# KiCad board Charlie-SD-CARD.kicad_pcb
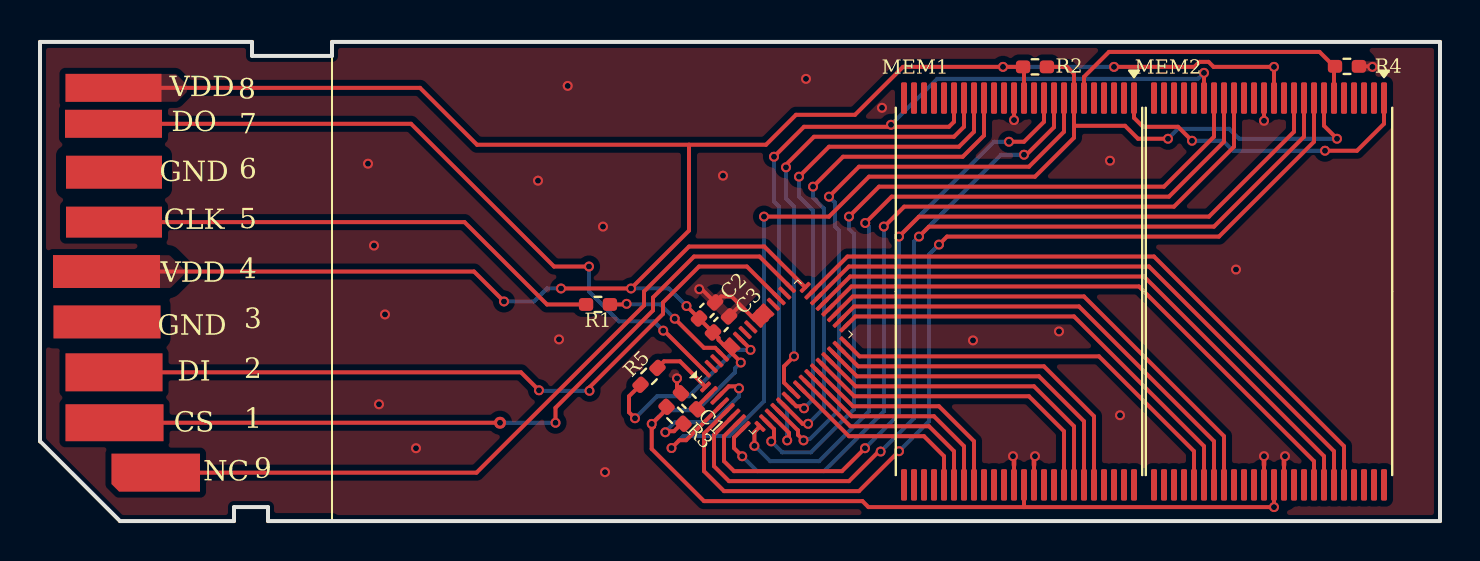
[diagram p0: board, top side]
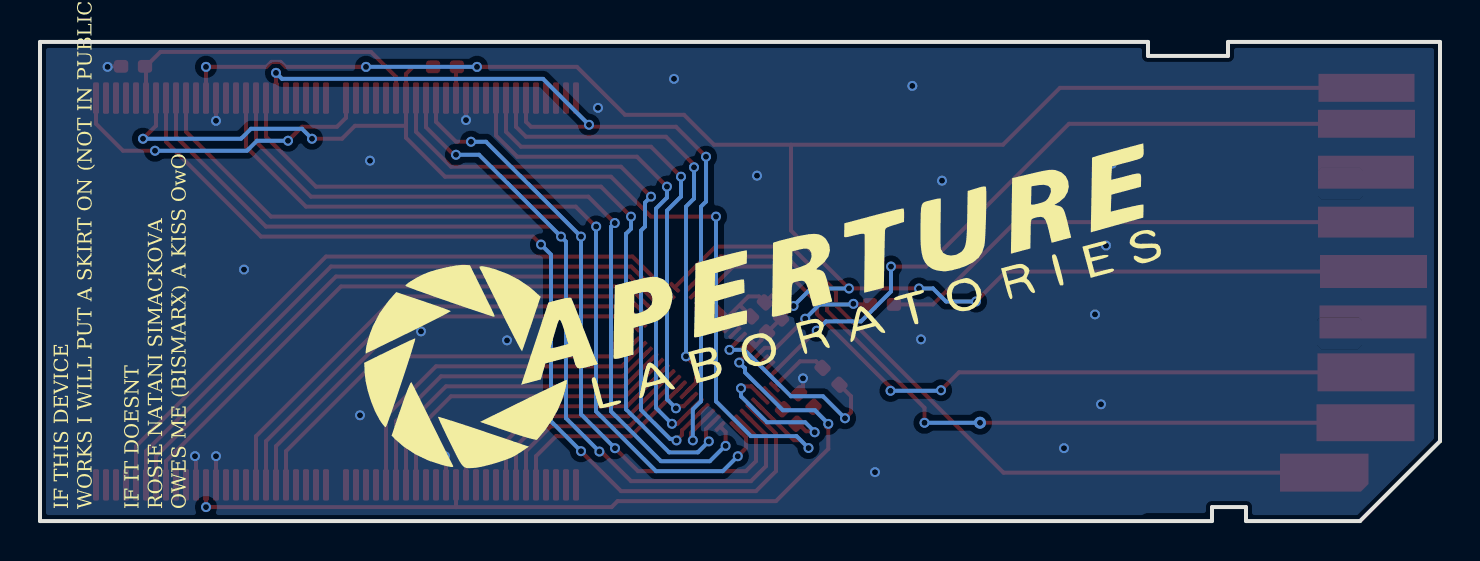
[diagram p1: board, bottom side, seen from below]

Outline 70 x 24 mm; copper layers: Front.Cu, Back.Cu. Coordinates in mm from the lower left corner of the outline.
Outline path: 0,24 10.6,24 10.6,23.3 14.6,23.3 14.6,24 70,24 70,0 11.4,0 11.4,0.7 9.7,0.7 9.7,0 4,0 0,4 0,24
Stack: Front.Cu 0.035mm / dielectric 1.51mm FR4 er 4.5 / Back.Cu 0.035mm

## Placement (name value [footprint] x y rotation side)
C1  C  [C_0402_1005Metric_Pad0.74x0.62mm_HandSolder]  32.45 6 135 top
C2  C  [C_0402_1005Metric_Pad0.74x0.62mm_HandSolder]  33.35 10.55 45 top
C3  C  [C_0402_1005Metric_Pad0.74x0.62mm_HandSolder]  34.05 9.85 45 top
G***  -  [LOGO]  33.79 11.64 165 bottom
MC1  ~  [Rosie_is_a_stupid_little_bitch_but_I_love_her]  36.76 8.22 135 top
MEM1  ~  [TSOP-I-48_18.4x12mm_P0.5mm]  48.95 11.5 270 top
MEM2  ~  [TSOP-I-48_18.4x12mm_P0.5mm]  61.45 11.5 270 top
R1  32~35R  [R_0402_1005Metric_Pad0.72x0.64mm_HandSolder]  27.9 10.85 0 top
R2  >~1000R  [R_0402_1005Metric_Pad0.72x0.64mm_HandSolder]  49.75 22.75 180 top
R3  ~1000R  [R_0402_1005Metric_Pad0.72x0.64mm_HandSolder]  31.75 5.3 135 top
R4  ~15R  [R_0402_1005Metric_Pad0.72x0.64mm_HandSolder]  65.35 22.78 0 top
R5  ?R  [R_0402_1005Metric_Pad0.72x0.64mm_HandSolder]  30.45 7.25 45 top
SD1  ~  [sd_card_contacts]  14.6 0 90 top

## Library data of the parts
C1-C3 = -: Description: Unpolarized capacitor; ki_fp_filters: C_*
R1-R5 = -: Description: Resistor; ki_fp_filters: R_*

## Footprints (pads in the part's own frame, mm; a bottom-side part is the same pattern mirrored in y, then rotated)
C_0402_1005Metric_Pad0.74x0.62mm_HandSolder
  rrect 0.735x0.62 smd: 1(-0.568,0) 2(0.568,0)
R_0402_1005Metric_Pad0.72x0.64mm_HandSolder
  rrect 0.715x0.64 smd: 1(-0.598,0) 2(0.598,0)
Rosie_is_a_stupid_little_bitch_but_I_love_her
  rrect 0.2x0.65 smd: 1(1.4,3.525) 8(-1.4,3.525) 25(-1.4,-3.525) 32(1.4,-3.525)
  rrect 0.2x0.8 smd: 2(1,3.525) 3(0.6,3.525) 4(0.2,3.525) 5(-0.2,3.525) 6(-0.6,3.525) 7(-1,3.525) 26(-1,-3.525) 27(-0.6,-3.525) 28(-0.2,-3.525) 29(0.2,-3.525) 30(0.6,-3.525) 31(1,-3.525)
  rrect 0.65x0.2 smd: 9(-1.925,3) 24(-1.925,-3) 33(1.925,-3) 48(1.925,3)
  rrect 0.8x0.2 smd: 10(-1.925,2.6) 11(-1.925,2.2) 12(-1.925,1.8) 13(-1.925,1.4) 14(-1.925,1) 15(-1.925,0.6) 16(-1.925,0.2) 17(-1.925,-0.2) 18(-1.925,-0.6) 19(-1.925,-1) 20(-1.925,-1.4) 21(-1.925,-1.8) 22(-1.925,-2.2) 23(-1.925,-2.6) 34(1.925,-2.6) 35(1.925,-2.2) 36(1.925,-1.8) 37(1.925,-1.4) 38(1.925,-1) 39(1.925,-0.6) 40(1.925,-0.2) 41(1.925,0.2) 42(1.925,0.6) 43(1.925,1) 44(1.925,1.4) 45(1.925,1.8) 46(1.925,2.2) 47(1.925,2.6)
sd_card_contacts
  rect 1.85x4.9 smd: 1(4.925,10.875)
  rect 1.9x4.85 smd: 2(7.45,10.9)
  rect 1.65x5.35 smd: 3(9.975,11.25) 4(12.5,11.275)
  rect 1.55x4.8 smd: 5(14.975,10.9)
  rect 1.65x4.8 smd: 6(17.475,10.9)
  rect 1.4x4.85 smd: 7(19.9,10.925)
  rect 1.4x4.8 smd: 8(21.7,10.925)
  rrect 1.9x4.425 smd: 9(2.425,8.812)
TSOP-I-48_18.4x12mm_P0.5mm
  rrect 1.575x0.3 smd: 1(-9.688,5.75) 2(-9.688,5.25) 3(-9.688,4.75) 4(-9.688,4.25) 5(-9.688,3.75) 6(-9.688,3.25) 7(-9.688,2.75) 8(-9.688,2.25) 9(-9.688,1.75) 10(-9.688,1.25) 11(-9.688,0.75) 12(-9.688,0.25) 13(-9.688,-0.25) 14(-9.688,-0.75) 15(-9.688,-1.25) 16(-9.688,-1.75) 17(-9.688,-2.25) 18(-9.688,-2.75) 19(-9.688,-3.25) 20(-9.688,-3.75) 21(-9.688,-4.25) 22(-9.688,-4.75) 23(-9.688,-5.25) 24(-9.688,-5.75) 25(9.688,-5.75) 26(9.688,-5.25) 27(9.688,-4.75) 28(9.688,-4.25) 29(9.688,-3.75) 30(9.688,-3.25) 31(9.688,-2.75) 32(9.688,-2.25) 33(9.688,-1.75) 34(9.688,-1.25) 35(9.688,-0.75) 36(9.688,-0.25) 37(9.688,0.25) 38(9.688,0.75) 39(9.688,1.25) 40(9.688,1.75) 41(9.688,2.25) 42(9.688,2.75) 43(9.688,3.25) 44(9.688,3.75) 45(9.688,4.25) 46(9.688,4.75) 47(9.688,5.25) 48(9.688,5.75)

## Nets
GND/GND: C1.2 C2.2 C3.2 MC1.37 MC1.38 MC1.39 MEM1.13 MEM1.36 MEM1.38 MEM2.13 MEM2.36 MEM2.38 R4.2 SD1.3 SD1.6
CLK/SCLK: R1.1 SD1.5
CMD/DI: MC1.35 SD1.2
DAT0/DO: MC1.48 SD1.7
DAT1/X: C2.1 C3.1 MC1.43 MC1.44 MEM1.12 MEM1.37 MEM2.12 MEM2.37 R2.2 R3.2 SD1.4 SD1.8
DAT2/X: MC1.32 SD1.9
DAT3/CS: MC1.33 SD1.1
jmp1: MC1.45 R1.2
jmp2: MC1.4 MEM1.7 MEM2.7 R2.1
jmp3: MC1.3 R3.1
jmp4: MEM1.6 MEM2.6 R4.1
jmp5: MC1.1 R5.2
jmp6: MC1.42 R5.1
jmp7: C1.1 MC1.2
jmp8: MC1.5 MEM2.8
jmp9: MC1.6 MEM1.9 MEM2.9
jmp10: MC1.7 MEM1.10 MEM2.10
jmp11: MC1.8 MEM2.16
jmp12: MC1.9 MEM2.17
jmp13: MC1.10 MEM2.18
jmp14: MC1.11 MEM1.19 MEM2.19
jmp15: MC1.12 MEM1.8
jmp16: MC1.13 MEM1.16
jmp17: MC1.14 MEM1.17
jmp18: MC1.15 MEM1.18
jmp19: MC1.16 MEM1.29
jmp20: MC1.17 MEM1.30
jmp21: MC1.18 MEM1.31
jmp22: MC1.19 MEM1.32
jmp23: MC1.20 MEM1.41
jmp24: MC1.21 MEM1.42
jmp25: MC1.22 MEM1.43
jmp26: MC1.23 MEM1.44
jmp27: MC1.24 MEM2.29
jmp28: MC1.25 MEM2.30
jmp29: MC1.26 MEM2.31
jmp30: MC1.27 MEM2.32
jmp31: MC1.28 MEM2.41
jmp32: MC1.29 MEM2.42
jmp33: MC1.30 MEM2.43
jmp34: MC1.31 MEM2.44
jmp35: MEM1.1 MEM2.1

Pads without a net: MC1 34 36 40 41 46 47; MEM1 2 3 4 5 11 14 15 20 21 22 23 24 25 26 27 28 33 34 35 39 40 45 46 47 48; MEM2 2 3 4 5 11 14 15 20 21 22 23 24 25 26 27 28 33 34 35 39 40 45 46 47 48

## Via types
v1: diameter 0.5, hole 0.3, Front.Cu to Back.Cu, 80 vias
v2: diameter 0.6, hole 0.3, Front.Cu to Back.Cu, 1 via

## Routing (per net, layer and track width the routed paths; a pad name or vN(x,y) marks a point on that pad's centre or on a via; arc(x,y) is an arc through that point)
GND/GND: length 14.8
  Front.Cu w0.2: 32.11,6.34 31.85,6.6 v1(31.85,7.15) ; 34.98,10.78 34.29,10.09 ; v1(48.7,20.09) MEM1.13 ; MEM1.38 49.7,3.2 v1(49.75,3.25) ; v1(62.25,3.25) 62.2,3.2 MEM2.38 ; 65.78,22.75 65.81,22.78 66.59,22.78 v1(66.62,22.75) ; v1(48.65,3.25) 48.7,3.2 MEM1.36 ; MEM2.36 v1(61.2,3.25) ; v1(61.2,20.05) MEM2.13 ; 36,10.3 35.8,10.1 35.74,10.1 34.58,11.25 34.05,11.25 C2.2 33.09,11.62 v1(32.96,11.62)
  vias: v1(16.4,17.9) v1(16.7,13.8) v1(16.95,5.85) v1(17.25,10.35) v1(18.8,3.65) v1(24.9,17.05) v1(25.95,9.1) v1(26.39,21.8) v1(28.15,14.75) v1(28.25,2.45) v1(34.15,17.3) v1(38.3,22.15) v1(42.1,20.7) v1(46.65,9.05) v1(50.95,9.5) v1(53.5,18.05) v1(54,5.3) v1(59.8,12.6)
CLK/SCLK: length 25.3
  Front.Cu w0.2: SD1.5 21.23,14.97 25.35,10.85 R1.1
CMD/DI: length 37.4
  Front.Cu w0.2: v1(24.95,6.55) 24.05,7.45 SD1.2 ; MC1.35 35.34,12.75 32.95,12.75 31.15,10.95 31.15,10.38 27.47,6.7 v1(27.47,6.53)
  Back.Cu w0.2: v1(24.95,6.55) 24.95,6.55 24.98,6.53 v1(27.47,6.53) 27.45,6.55
DAT0/DO: length 35.5
  Front.Cu w0.2: v1(27.45,12.75) 25.7,12.75 18.55,19.9 SD1.7 ; MC1.48 31.2,9.54 v1(31.16,9.54)
  Back.Cu w0.2: v1(27.45,12.75) 27.45,11.5 28.95,10 30.7,10 v1(31.16,9.54)
DAT1/X: length 150.7
  Front.Cu w0.2: MEM2.12 v1(61.7,22.75) 58.68,22.75 58.43,23 57.97,23 57.72,22.75 v1(53.7,22.75) ; v1(32.33,10.77) C2.1 33.93,9.17 33.93,9.08 35.05,7.95 35.05,7.95 v1(35.04,7.94) ; 49.2,22.75 MEM1.12 ; 49.24,22.75 v1(48.15,22.75) 43.15,22.75 40.75,20.35 37.8,20.35 36.3,18.85 32.45,18.85 ; 31.39,5.66 30.6,4.87 v1(30.59,4.87) 30.7,4.75 30.7,4.73 30.59,4.62 30.59,3.61 33.2,1 41.12,1 41.42,0.7 49.2,0.7 ; SD1.8 19,21.7 21.85,18.85 32.45,18.85 ; v1(23.2,11) 21.7,12.5 SD1.4 ; 32.45,18.85 32.45,14.55 v1(29.55,11.65) v1(26.05,11.65) ; 49.2,0.7 v1(61.7,0.7) MEM2.37 ; 49.2,0.7 MEM1.37
  Back.Cu w0.2: v1(30.59,4.87) 30.59,4.89 31.25,5.55 32.85,5.55 34.75,7.45 34.75,7.65 v1(35.04,7.94) ; v1(32.33,10.77) 31.45,11.65 v1(29.55,11.65) ; v1(26.05,11.65) 25.35,11.65 24.7,11 v1(23.2,11) ; v1(53.7,22.75) v1(48.15,22.75)
DAT2/X: length 38.4
  Front.Cu w0.2: SD1.9 21.83,2.43 30.2,10.8 30.2,11.5 32.45,13.75 36.22,13.75 MC1.32
DAT3/CS: length 38.6
  Front.Cu w0.2: v1(25.78,4.93) 25.78,5.68 30.65,10.55 30.65,11.2 32.7,13.25 35.98,13.25 37.42,11.81 ; v2(23,4.93) SD1.1
  Back.Cu w0.2: v1(25.78,4.93) v2(23,4.93)
jmp1: length 6.5
  Front.Cu w0.2: v1(29.33,10.88) 29.3,10.85 28.59,10.85 28.56,10.88 ; 34.03,8.41 33.76,8.68 33.2,8.68 v1(31.74,10.14)
  Back.Cu w0.2: v1(31.74,10.14) 31.02,10.85 29.36,10.85 v1(29.33,10.88)
jmp2: length 56.6
  Front.Cu w0.2: 51.7,19.55 51.7,19.8 54.25,19.8 54.9,19.15 v1(56.4,19.15) ; 51.7,19.55 51.7,19.2 49.75,17.25 41.45,17.25 39.45,15.25 v1(36.2,15.25) ; 51.7,19.55 MEM1.7 51.7,22.4 51.35,22.75 50.26,22.75 ; v1(64.85,19.15) 64.2,19.8 MEM2.7 ; 34.1,5.84 32.3,4.05 31.97,4.05 v1(31.57,3.66)
  Back.Cu w0.2: v1(36.2,15.25) 36.2,6 34.46,4.26 32.17,4.26 v1(31.57,3.66) ; v1(56.4,19.15) 56.9,19.65 59.45,19.65 59.95,19.15 v1(64.85,19.15)
jmp3: length 7.3
  Front.Cu w0.2: v1(34.95,6.65) 34.85,6.75 34.44,6.75 MC1.3 ; 32.11,4.94 31.98,4.81 31.98,4.78 31.7,4.5 31.32,4.5 v1(31.27,4.45)
  Back.Cu w0.2: v1(34.95,6.65) 34.95,6.25 33.65,4.95 31.74,4.95 31.27,4.47 v1(31.27,4.45)
jmp4: length 16
  Front.Cu w0.2: MEM1.6 52.2,22.25 53.45,23.5 63.98,23.5 64.7,22.78 R4.1 64.7,22.73 MEM2.6
jmp5: length 3.1
  Front.Cu w0.2: 30.81,7.61 31.2,8 32,8 33.25,6.75 33.25,6.75
jmp6: length 10.2
  Front.Cu w0.2: v1(35.53,8.57) 35.53,8.61 34.95,9.19 ; 30.09,6.89 29.45,6.25 29.45,5.45 v1(29.75,5.15)
  Back.Cu w0.2: v1(35.53,8.57) 34.78,8.57 32.45,6.25 30.85,6.25 v1(29.75,5.15)
jmp7: length 1.1
  Front.Cu w0.2: 32.79,5.69 32.81,5.69 MC1.2
jmp8: length 48.8
  Front.Cu w0.2: v1(42.95,3.5) 40.95,1.5 34.2,1.5 33.2,2.5 33.2,4.38 34.38,5.56 ; MEM2.8 63.7,19 58.95,14.25 45.35,14.25 v1(44.95,13.85)
  Back.Cu w0.2: v1(44.95,13.85) 44.45,13.35 44.45,5 v1(42.95,3.5)
jmp9: length 57.5
  Front.Cu w0.2: v1(43.95,14.25) 44.45,14.75 58.7,14.75 63.2,19.25 MEM2.9 ; v1(42.03,3.48) 41.93,3.48 40.45,2 34.45,2 33.7,2.75 33.7,4.31 34.66,5.28 ; MEM1.9 50.7,19.73 49.32,18.35 v1(49.2,18.35)
  Back.Cu w0.2: v1(42.03,3.48) 43.7,5.15 43.7,14 v1(43.95,14.25) 48.05,18.35 v1(49.2,18.35)
jmp10: length 55.8
  Front.Cu w0.2: v1(41.25,3.65) 40.1,2.5 34.7,2.5 34.2,3 34.2,4.25 34.94,4.99 ; MEM1.10 50.2,20 49.2,19 v1(48.45,19) ; MEM2.10 62.7,19.5 58.45,15.25 43.95,15.25 v1(42.95,14.25)
  Back.Cu w0.2: v1(41.25,3.65) 42.95,5.35 v1(42.95,14.25) 47.7,19 v1(48.45,19)
jmp11: length 41.4
  Front.Cu w0.2: v1(35.11,3.25) 34.7,3.66 34.7,4.18 35.23,4.71 ; MEM2.16 59.7,18.75 56.7,15.75 43.21,15.75 42.21,14.75 v1(42.19,14.75)
  Back.Cu w0.2: v1(42.19,14.75) 42.2,14.74 42.2,5.5 39.2,2.5 35.86,2.5 v1(35.11,3.25)
jmp12: length 39.5
  Front.Cu w0.2: 35.93,4.8 35.93,4.67 35.72,4.46 v1(35.72,3.77) ; v1(41.26,14.93) 42.58,16.25 56.45,16.25 59.2,19 MEM2.17
  Back.Cu w0.2: v1(41.26,14.93) 41.45,14.74 41.45,5.5 38.95,3 36.51,3 35.74,3.77 v1(35.72,3.77)
jmp13: length 38.2
  Front.Cu w0.2: MEM2.18 58.7,19.25 56.2,16.75 41.95,16.75 v1(40.45,15.25) ; 36.22,5.09 36.7,4.61 36.7,4.13 v1(36.56,3.99)
  Back.Cu w0.2: v1(40.45,15.25) 40.45,14.64 40.7,14.39 40.7,5.6 38.54,3.44 37.11,3.44 v1(36.56,3.99)
jmp14: length 45.2
  Front.Cu w0.2: MEM1.19 45.7,20 45.45,19.75 42.55,19.75 ; v1(42.55,19.85) 42.55,19.75 ; 42.55,19.75 38.2,19.75 v1(36.7,18.25) ; v1(37.36,4.04) 37.45,4.13 37.45,4.42 36.5,5.37 ; v1(58.2,22.45) MEM2.19
  Back.Cu w0.2: v1(58.2,22.45) 57.9,22.15 44.85,22.15 v1(42.55,19.85) ; v1(37.36,4.04) 37.36,5.59 36.95,6 36.95,15.75 36.7,16 36.7,18.25 v1(36.7,18.25)
jmp15: length 30.2
  Front.Cu w0.2: MC1.12 37.9,4.54 37.9,4.54 37.9,4.32 v1(38.18,4.04) ; MEM1.8 51.2,19.5 49.45,17.75 40.95,17.75 v1(39.45,16.25)
  Back.Cu w0.2: v1(38.18,4.04) 38.25,4.11 38.5,4.11 39.95,5.57 39.95,14.55 39.75,14.75 39.75,15.95 v1(39.45,16.25)
jmp16: length 25.6
  Front.Cu w0.2: MEM1.16 47.2,19.31 46.14,18.25 40.15,18.25 v1(38.65,16.75) ; MC1.13 38.13,4.87 v1(38.4,4.87)
  Back.Cu w0.2: v1(38.4,4.87) 38.4,4.87 39.2,5.67 39.2,15.65 38.65,16.2 v1(38.65,16.75)
jmp17: length 24.5
  Front.Cu w0.2: MEM1.17 46.7,19.5 45.95,18.75 39.45,18.75 v1(37.95,17.25) ; 37.35,6.22 37.82,5.75 38.07,5.75 38.17,5.65 v1(38.2,5.65)
  Back.Cu w0.2: v1(38.2,5.65) 38.2,5.65 38.65,6.1 38.65,15.55 37.95,16.25 v1(37.95,17.25)
jmp18: length 23.1
  Front.Cu w0.2: 37.63,6.5 37.2,6.93 37.2,7.75 v1(37.7,8.25) ; MEM1.18 46.2,19.75 45.7,19.25 38.7,19.25 37.27,17.82 37.27,17.75 v1(37.3,17.72)
  Back.Cu w0.2: v1(37.7,8.25) 37.7,15.75 37.3,16.15 v1(37.3,17.72)
jmp19: length 10.2
  Front.Cu w0.2: 37.92,6.78 40.45,4.25 44.2,4.25 45.2,3.25 MEM1.29
jmp20: length 10.7
  Front.Cu w0.2: 38.2,7.07 40.52,4.75 44.45,4.75 45.7,3.5 MEM1.30
jmp21: length 11.1
  Front.Cu w0.2: 38.48,7.35 40.58,5.25 44.7,5.25 46.2,3.75 MEM1.31
jmp22: length 11.6
  Front.Cu w0.2: MEM1.32 46.7,4 44.95,5.75 40.65,5.75 38.77,7.63
jmp23: length 16.3
  Front.Cu w0.2: 39.05,7.91 40.71,6.25 49.45,6.25 51.2,4.5 MEM1.41
jmp24: length 16.7
  Front.Cu w0.2: MEM1.42 51.7,4.75 49.7,6.75 40.78,6.75 39.33,8.2
jmp25: length 17.2
  Front.Cu w0.2: 39.61,8.48 40.84,7.25 49.95,7.25 52.2,5 MEM1.43
jmp26: length 17.7
  Front.Cu w0.2: 39.9,8.76 40.91,7.75 50.2,7.75 52.7,5.25 MEM1.44
jmp27: length 21.5
  Front.Cu w0.2: MEM2.29 57.7,3.5 52.95,8.25 40.98,8.25 40.18,9.05
jmp28: length 22.8
  Front.Cu w0.2: MEM2.30 58.2,3.75 51.7,10.25 40.77,10.25 MC1.25
jmp29: length 24
  Front.Cu w0.2: MC1.26 40.7,10.75 51.95,10.75 58.7,4 MEM2.31
jmp30: length 25.3
  Front.Cu w0.2: MC1.27 40.64,11.25 52.2,11.25 59.2,4.25 MEM2.32
jmp31: length 29.6
  Front.Cu w0.2: MEM2.41 63.7,3 54.95,11.75 40.57,11.75 MC1.28
jmp32: length 30.8
  Front.Cu w0.2: MEM2.42 64.2,3.25 55.2,12.25 40.5,12.25 MC1.29
jmp33: length 32.1
  Front.Cu w0.2: MEM2.43 64.7,3.5 55.45,12.75 40.44,12.75 MC1.30
jmp34: length 33.3
  Front.Cu w0.2: MEM2.44 65.2,3.75 55.7,13.25 40.37,13.25 MC1.31
jmp35: length 16
  Front.Cu w0.2: MEM2.1 67.2,19.9 65.85,18.55 v1(64.25,18.55) ; v1(57.6,19.05) 56.9,19.75 55.15,19.75 54.7,20.2 MEM1.1
  Back.Cu w0.2: v1(64.25,18.55) 59.65,18.55 59.15,19.05 v1(57.6,19.05)

## Copper pours and planes (outline as drawn; the poured copper is in the pictures)
GND/GND on Front.Cu, Back.Cu: 78.4,-7.15 -4.3,-7.15 -5.55,-5.9 -5.55,26.5 -4.6,27.45 74.65,27.45 78.4,23.7
GND/GND on Back.Cu: 140.4,-90 71.15,-90 71.15,-54.64 73.04,-52.75 133.9,-52.75 140.4,-59.25
GND/GND on Back.Cu: 5.95,17.7 6.1,17.55 6.1,16.3 5.9,16.1 4.05,16.1 3.85,16.3 3.85,17.55 4,17.7
GND/GND on Back.Cu: 6,10.2 6.15,10.05 6.15,8.8 5.95,8.6 4.1,8.6 3.9,8.8 3.9,10.05 4.05,10.2
DAT1/X on Front.Cu: 6.85,21 7.35,21.5 7.35,21.85 6.8,22.4 5.35,22.4 5.05,22.1 5.05,21.25 5.3,21
DAT1/X on Front.Cu: 6.53,11.68 7.2,12.35 7.2,12.6 6.48,13.32 5.17,13.32 4.95,13.1 4.95,11.85 5.12,11.68

Small or netless copper shapes (teardrops, artwork), in the pictures only: 2 on Front.Cu

## Text on the board
B.Silkscreen: IF THIS DEVICE / WORKS I WILL PUT A SKIRT ON (NOT IN PUBLIC) / IF IT DOESNT / ROSIE NATANI SIMACKOVA / OWES ME (BISMARX) A KISS OwO
F.Silkscreen: 8 | 7 | 6 | 5 | 4 | 3 | 2 | 1 | 9 | VDD
